# KiCad board aek.kicad_pcb (continued)
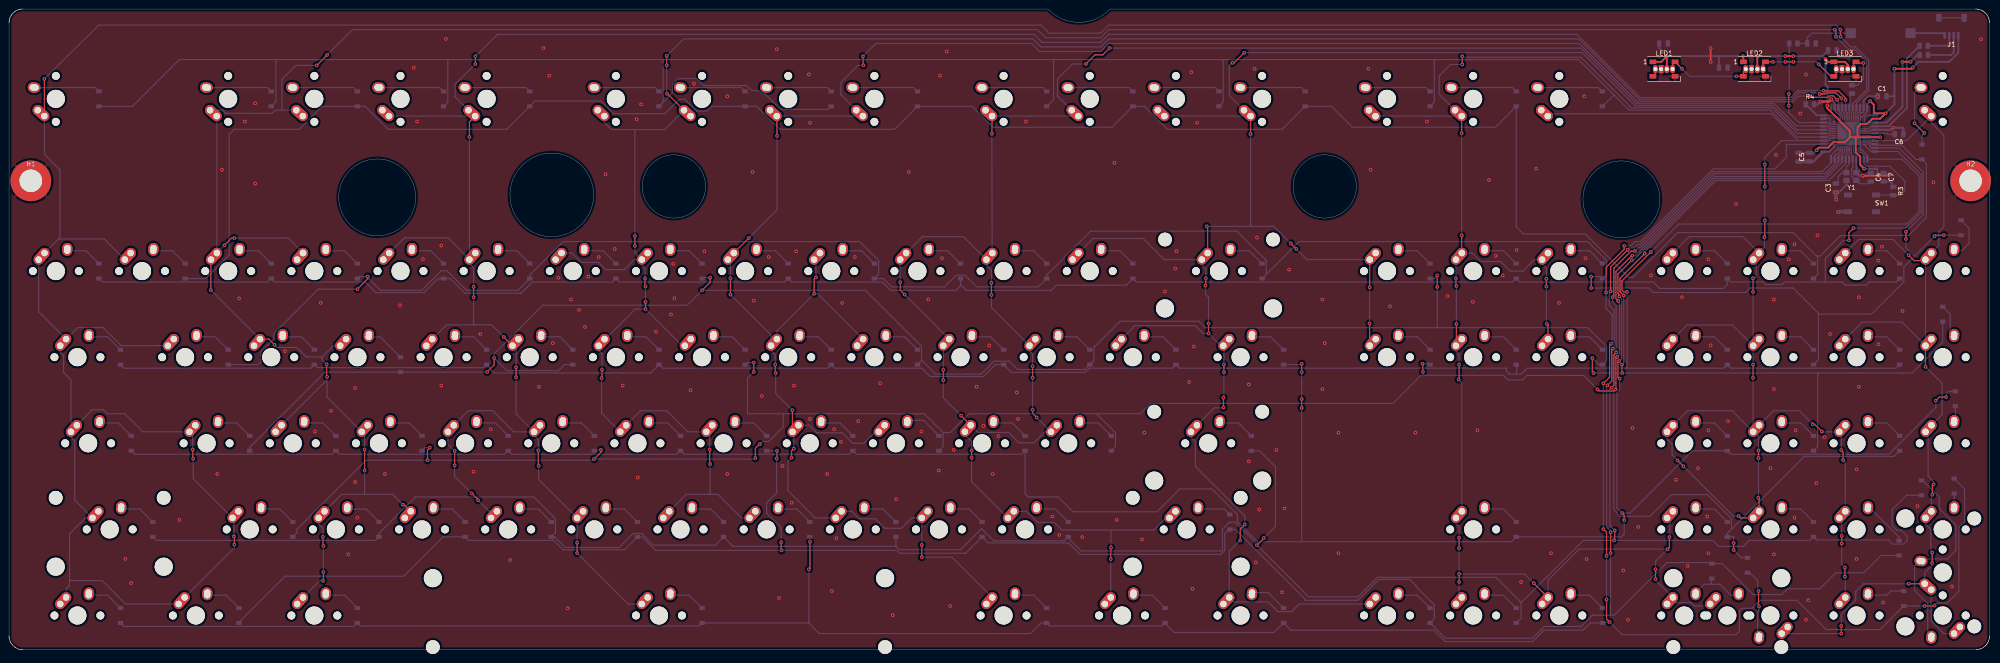
[diagram p0: board, top side]
## Routing (per net, layer and track width the routed paths; a pad name or vN(x,y) marks a point on that pad's centre or on a via; arc(x,y) is an arc through that point) (continued)
ROW5: length 618.8
  Top w0.25: v1(353.21,11.08) 353.21,6.78 v1(353.89,6.11) ; v1(353.11,79.03) 353.11,84.58 357.11,88.58 v1(357.11,89.38) ; v1(425.73,9.78) 425.63,9.68 v1(423.52,9.68) ; v1(353.21,20.78) 353.21,25.98 v1(352.51,26.68) ; v1(352.52,58.93) 353.89,60.29 353.89,67.4 v1(354.17,67.68) ; v1(176.85,17.8) 177.1,18.05 v1(177.1,23.89)
  Bottom w0.25: U1.25 402.6,112.73 402.24,112.37 402.24,112.08 401.99,111.83 U1.25 392.96,111.83 392.96,108.93 390.41,106.38 376.81,106.38 360.71,90.28 359.51,90.28 358.61,89.38 v1(357.11,89.38) ; D105.1 432.37,35.58 432.37,28.34 431.11,27.08 431.11,12.88 428.51,10.28 426.21,10.28 426.21,10.26 v1(425.73,9.78) ; v1(353.11,79.03) 353.11,75.49 354.44,74.16 354.44,67.95 v1(354.17,67.68) ; v1(353.21,20.78) v1(353.21,11.08) ; 255.62,5.83 257.62,3.83 279.72,3.83 D72.1 283.4,4.33 315.02,4.33 317.56,1.79 336.87,1.79 339.41,4.33 348.04,4.33 349.63,5.92 D83.1 ; v1(423.52,9.68) 423.51,9.67 420.94,9.67 420.94,9.67 D94.1 413.7,4.46 401.76,4.46 395.29,10.94 387.16,10.94 385.38,9.16 383.1,9.16 382.59,8.65 382.59,4.08 381.83,3.32 356.68,3.32 v1(353.89,6.11) 352.49,6.11 ; D61.1 254.95,5.25 230.09,5.25 D50.1 228.22,5.92 225.87,3.57 179.13,3.57 176.78,5.92 D28.1 152.56,5.25 77.69,5.25 D17.1 76.25,5.15 25.41,5.15 D6.1 ; v1(176.85,17.8) 176.85,5.86 ; D39.1 177.04,23.96 v1(177.1,23.89) ; v1(352.51,26.68) 352.51,32.08 352.52,32.09 v1(352.52,58.93)
ROW6: length 584.5
  Top w0.25: v1(169.71,42.28) 169.8,42.37 v1(169.8,44.02) ; v1(170.71,23.78) 170.71,22.09 v1(170.82,21.99) ; v1(354.11,79.3) 354.11,84.7 v1(357.9,88.49) ; v1(354.11,21.38) v1(354.11,25.98) ; v1(353.41,58.48) 354.39,59.45 354.39,66.39 v1(354.61,66.62)
  Bottom w0.25: D95.1 413.89,20.84 410.08,17.03 403.92,17.03 400.37,13.48 393.26,13.48 391.99,12.21 385.64,12.21 378.78,19.06 D84.1 ; v1(354.11,79.3) 353.84,79.03 353.84,76.16 354.89,75.11 354.89,66.89 v1(354.61,66.62) ; U1.22 402.87,109.39 U1.22 402.87,107.67 ; 353.96,7.64 350.08,7.64 347.59,5.15 339.46,5.15 336.87,2.56 317.56,2.56 D73.1 315.12,6.85 315.12,9.93 311.14,13.91 311.14,14.12 309.69,15.57 302.89,15.57 298.26,10.94 286.58,10.94 286.58,11.19 271.15,26.62 D62.1 ; 353.96,7.64 354.11,7.79 v1(354.11,21.38) ; 353.96,7.64 354.9,7.64 366.55,19.28 376.27,19.28 ; v1(354.11,25.98) 354.11,26.28 353.24,27.16 353.24,58.3 v1(353.41,58.48) ; 402.87,107.73 400.91,105.78 376.85,105.78 360.75,89.68 360.11,89.68 359.35,88.91 358.32,88.91 v1(357.9,88.49) ; 50.83,6.08 61.02,16.27 87.26,16.27 95.96,24.97 D18.1 101.61,24.2 120.41,24.2 122.49,22.11 136.08,22.11 D29.1 139.95,24.97 142.94,21.99 v1(170.82,21.99) 196.28,21.99 196.91,21.35 211.52,21.35 D51.1 216.47,23.64 234.25,23.64 236.79,21.1 267.91,21.1 268.8,21.99 268.8,25.67 269.75,26.62 ; D40.1 v1(169.8,44.02) ; v1(169.71,42.28) 169.71,34.68 167.51,32.48 167.51,30.18 170.71,26.98 v1(170.71,23.78)
ROW7: length 569.7
  Top w0.25: v1(355.79,77.17) 355.29,77.68 355.29,83.68 358.79,87.18 v1(358.91,87.18) ; v1(312.51,63.28) 312.61,63.18 v1(312.61,61.48) ; v1(130.87,44.21) 130.87,43.7 v1(129.35,42.18) ; v1(93.03,44.72) 92.52,44.21 v1(92.52,41.93) ; v1(165.01,42.38) 165.01,44.58 165.91,45.48 v1(166.01,45.48) ; v1(355.56,64.77) 355.32,64.77 355.29,64.74 355.29,59.01 355.29,57.64 v1(355.23,57.59) 354.9,57.26 351.54,57.26 v1(351.21,57.58) ; v1(164.66,61.48) v1(164.66,63.52) ; v1(381.31,23.6) v1(381.31,22.08)
  Bottom w0.25: v1(381.31,23.6) 381.32,23.6 381.32,24.92 381.27,24.97 D85.1 379.92,25.74 396.97,42.8 416.8,42.8 D96.1 ; U1.20 404.47,109.23 405.37,110.13 U1.20 ; 240.47,52.2 244.64,48.03 244.64,44.95 D63.1 ; v1(355.79,77.17) 356.06,76.9 356.06,65.28 v1(355.56,64.77) ; 171.19,52.2 163.27,52.2 163.27,60.1 v1(164.66,61.48) ; 171.19,52.2 171.19,49.3 167.97,46.08 166.61,46.08 v1(166.01,45.48) ; 171.19,52.2 202.37,52.2 206.54,48.03 ; 206.54,48.03 206.54,44.95 D52.1 ; 206.54,48.03 208.1,48.03 212.27,52.2 250.12,52.2 252.42,54.51 306.01,54.51 312.23,60.72 330.37,60.72 331.41,59.68 334.61,59.68 335.61,60.68 348.11,60.68 v1(351.21,57.58) ; 312.76,60.72 312.76,61.34 v1(312.61,61.48) ; v1(312.51,63.28) 313.99,63.28 ; v1(164.66,63.52) 163.19,63.52 D41.1 ; v1(93.03,44.72) 92.01,44.72 D19.1 ; 380.85,26.67 380.85,28.98 375.52,34.31 367.6,34.31 362.81,29.52 356.25,29.52 354.81,30.95 354.81,57.38 355.02,57.59 v1(355.23,57.59) ; v1(165.01,42.38) 164.81,42.18 v1(129.35,42.18) 129.1,41.93 v1(92.52,41.93) 78.92,41.93 63.66,26.67 63.66,25.9 D8.1 ; v1(358.91,87.18) 359.52,87.18 377.06,104.72 401.51,104.72 404.14,107.35 404.14,107.51 404.47,107.83 ; v1(381.31,22.08) 383.06,20.33 D43.1 ; v1(130.87,44.21) 129.6,44.21
ROW8: length 574.1
  Top w0.25: v1(357.01,78.38) 356.19,79.21 356.19,82.19 ; v1(155,82.31) 155,81.3 v1(153.23,79.52) ; v1(356.68,61.23) 356.61,61.3 v1(356.61,63.08) ; v1(315.79,82.82) v1(315.79,80.28) ; v1(350.33,61.23) 350.08,61.48 v1(350.08,64.53) ; v1(107.25,64.53) 107.25,63.01 v1(105.73,61.48) ; 356.19,82.18 v1(361.65,87.65)
  Bottom w0.25: v1(350.33,61.23) 400.11,61.23 ; 400.11,61.23 399.9,61.01 399.9,44.95 D97.1 ; 400.11,61.23 420.75,61.23 427.55,68.03 D109.1 ; 201.78,64.06 201.78,67.08 189.34,79.52 v1(153.23,79.52) 149.92,76.22 118.03,76.22 107.25,65.44 v1(107.25,64.53) 110.05,61.74 121.48,61.74 122.81,63.07 D31.1 ; 201.78,64.06 204.86,60.98 214.95,60.98 217.82,63.85 221.12,63.85 222.98,61.99 237.87,61.99 D64.1 239.88,64 239.88,67.08 240.1,67.08 245.7,72.68 263.06,72.68 264.49,71.25 349.05,71.25 353.22,67.08 353.22,64 D86.1 351.54,63.07 v1(350.08,64.53) ; 201.78,64.06 201.78,64 D53.1 ; v1(361.65,87.65) 361.65,88.04 377.43,103.82 402.36,103.82 406.07,107.53 U1.18 406.07,109.23 406.37,109.53 U1.18 ; v1(315.79,82.82) 315.09,82.12 D75.1 ; D9.1 53.21,44.79 69.84,61.42 D20.1 105.67,61.42 v1(105.73,61.48) ; v1(315.79,80.28) 315.79,71.39 315.92,71.25 ; v1(357.01,78.38) 357.01,63.48 v1(356.61,63.08) ; v1(155,82.31) 153.41,82.31
ROW9: length 507.1
  Top w0.25: v1(77.03,79.77) 79.31,82.06 v1(79.31,82.57) ; v1(427.8,91.71) 425.96,91.71 v1(425.74,91.49) ; v1(349.82,80.03) v1(349.82,82.57) ; v1(419.42,92.47) v1(419.42,90.88)
  Bottom w0.25: v1(77.03,79.77) 68.38,79.77 58.54,69.94 58.54,68.72 55.66,65.84 55.66,63.61 55.12,63.07 D10.1 ; D21.1 77.47,82.57 v1(79.31,82.57) 79.31,82.31 82.11,79.52 91.25,79.52 95.57,83.84 96.84,83.84 101.16,79.52 112.52,79.52 D32.1 115.13,82.89 122.53,90.3 188.08,90.3 192.25,86.13 192.25,83.05 D54.1 193.29,82.12 195.14,80.28 206.83,80.28 209.45,82.9 211.3,82.9 212.27,81.92 212.29,81.92 213.93,80.28 227.58,80.28 D65.1 229.43,82.89 239.14,92.61 271.5,92.61 277.98,86.13 277.98,83.05 ; v1(349.82,82.57) 351.85,82.57 D87.1 353.22,83.05 353.22,86.13 349.05,90.3 285.23,90.3 D76.1 ; v1(419.42,92.47) 423.21,96.27 423.21,105.68 417.87,111.03 U1.10 411.74,111.03 411.49,111.28 411.49,111.57 410.83,112.23 U1.10 ; v1(419.42,90.88) 419.42,88.92 421.29,87.04 ; 400.05,74.25 400.05,64.15 D98.1 ; v1(427.8,91.71) 427.8,91.71 D110.1 ; 421.29,87.04 418.95,84.7 418.95,81.41 411.78,74.25 400.25,74.25 394.47,80.03 384.97,80.03 383.97,79.03 363.56,79.03 362.57,80.03 v1(349.82,80.03) ; 421.29,87.04 v1(425.74,91.49)
ROW10: length 515.2
  Bottom w0.25: 412.77,111.63 418.47,111.63 421.62,108.47 D100.1 423.91,107.53 423.91,95.61 419.95,91.65 404.98,91.65 400.44,87.1 399.9,87.1 ; D99.1 399.9,83.05 399.9,87.1 ; D11.1 43.5,82.12 48.67,87.3 48.67,114.03 49.78,115.14 64.13,115.14 69.21,120.22 D22.1 78.74,120.22 83.82,115.14 110.05,115.14 D33.1 116.28,121.38 130.91,121.38 133.71,118.58 145.01,118.58 148.21,121.78 149.41,121.78 152.01,119.18 154.31,119.18 155.36,120.22 D44.1 165.33,120.22 170.41,115.14 195.77,115.14 D55.1 212.96,120.22 217.59,115.59 243.85,115.59 D66.1 251.06,120.22 256.14,115.14 281.5,115.14 D77.1 292.37,120.22 297,115.59 328.62,115.59 D88.1 333.25,93.55 334.84,91.96 348.53,91.96 358.11,82.38 359.01,82.38 365.85,89.22 365.87,89.22 367.42,90.77 367.42,90.79 368.91,92.28 394.46,92.28 399.64,87.1 399.9,87.1 ; U1.9 411.13,112.73 411.45,112.41 411.45,112.25 411.87,111.83 U1.9
Net-(BUZ1-Pad1): length 13.5
  Bottom w0.25: BUZ1.1 398.59,136.41 397.57,135.4 C11.1 R6.2
Net-(C3-Pad1): length 9.5
  Bottom w0.25: C3.1 404.43,103.65 404.43,104.68 405.3,105.55 Y1.1 406.25,106.91 406.87,107.53 U1.17 U1.17
Net-(C4-Pad1): length 11.2
  Bottom w0.25: C4.1 411.13,103.1 409.21,103.1 Y1.3 ; 408.27,103.85 407.43,104.69 407.43,106.41 407.67,106.65 U1.16 ; 407.81,108.67 407.81,109.28 407.37,109.73 U1.16
Net-(C6-Pad1): length 6.8
  Bottom w0.25: U1.6 U1.6 415.16,114.23 415.33,114.06 C6.1
Net-(D1-Pad2): length 14.4
  Bottom w0.25: SW_ESC1.2 19.03,124.37 D1.2
Net-(D2-Pad2): length 8.2
  Bottom w0.25: SW_TICK1.2 17.03,88.27 D2.2
Net-(D3-Pad2): length 8.2
  Bottom w0.25: SW_TAB1.2 21.79,69.22 D3.2
Net-(D4-Pad2): length 8.2
  Bottom w0.25: SW_CAP1.2 24.17,50.17 D4.2
Net-(D5-Pad2): length 8.2
  Bottom w0.25: SW_LSH1.2 28.93,31.12 D5.2
Net-(D6-Pad2): length 8.2
  Bottom w0.25: D6.2 21.79,12.07 SW_LCTR1.2
Net-(D7-Pad2): length 8.2
  Bottom w0.25: D7.2 47.98,12.07 SW_LMOD1.2
Net-(D8-Pad2): length 8.2
  Bottom w0.25: D8.2 59.89,31.12 SW_Z1.2
Net-(D9-Pad2): length 8.2
  Bottom w0.25: D9.2 50.36,50.17 SW_A1.2
Net-(D10-Pad2): length 8.2
  Bottom w0.25: SW_Q1.2 45.6,69.22 D10.2
Net-(D11-Pad2): length 8.2
  Bottom w0.25: D11.2 36.08,88.27 SW_1.2
Net-(D12-Pad2): length 14.4
  Bottom w0.25: D12.2 57.13,124.37 SW_F1.2
Net-(D13-Pad2): length 8.2
  Bottom w0.25: D13.2 55.13,88.27 SW_2.2
Net-(D14-Pad2): length 8.2
  Bottom w0.25: D14.2 64.65,69.22 SW_W1.2
Net-(D15-Pad2): length 8.2
  Bottom w0.25: D15.2 69.41,50.17 SW_S1.2
Net-(D16-Pad2): length 8.2
  Bottom w0.25: SW_X1.2 78.94,31.12 D16.2
Net-(D17-Pad2): length 8.2
  Bottom w0.25: D17.2 74.18,12.07 SW_LALT1.2
Net-(D18-Pad2): length 8.2
  Bottom w0.25: SW_C1.2 97.99,31.12 D18.2
Net-(D19-Pad2): length 8.2
  Bottom w0.25: D19.2 88.46,50.17 SW_D1.2
Net-(D20-Pad2): length 8.9
  Bottom w0.25: SW_E1.2 82.05,69.22 D20.2
Net-(D21-Pad2): length 8.2
  Bottom w0.25: D21.2 74.18,88.27 SW_3.2
Net-(D22-Pad2): length 14.4
  Bottom w0.25: SW_F2.2 76.18,124.37 D22.2
Net-(D23-Pad2): length 14.4
  Bottom w0.25: D23.2 95.23,124.37 SW_F3.2
Net-(D24-Pad2): length 8.2
  Bottom w0.25: SW_4.2 93.23,88.27 D24.2
Net-(D25-Pad2): length 8.2
  Bottom w0.25: SW_R1.2 102.75,69.22 D25.2
Net-(D26-Pad2): length 8.2
  Bottom w0.25: SW_F13.2 107.51,50.17 D26.2
Net-(D27-Pad2): length 8.2
  Bottom w0.25: SW_V1.2 117.04,31.12 D27.2
Net-(D28-Pad2): length 8.2
  Bottom w0.25: SW_SPACE1.2 150.38,12.07 D28.2
Net-(D29-Pad2): length 8.2
  Bottom w0.25: D29.2 136.09,31.12 SW_B1.2
Net-(D30-Pad2): length 8.2
  Bottom w0.25: D30.2 126.56,50.17 SW_G1.2
Net-(D31-Pad2): length 8.2
  Bottom w0.25: D31.2 121.8,69.22 SW_T1.2
Net-(D32-Pad2): length 8.2
  Bottom w0.25: D32.2 112.28,88.27 SW_5.2
Net-(D33-Pad2): length 14.4
  Bottom w0.25: D33.2 114.28,124.37 SW_F4.2
Net-(D34-Pad2): length 14.4
  Bottom w0.25: SW_F5.2 142.85,124.37 D34.2
Net-(D35-Pad2): length 8.2
  Bottom w0.25: D35.2 131.33,88.27 SW_6.2
Net-(D36-Pad2): length 8.2
  Bottom w0.25: SW_Y1.2 140.85,69.22 D36.2
Net-(D37-Pad2): length 8.2
  Bottom w0.25: SW_H1.2 145.61,50.17 D37.2
Net-(D38-Pad2): length 8.2
  Bottom w0.25: SW_N1.2 155.14,31.12 D38.2
Net-(D39-Pad2): length 8.2
  Bottom w0.25: D39.2 174.19,31.12 SW_M1.2
Net-(D40-Pad2): length 8.2
  Bottom w0.25: SW_J1.2 164.66,50.17 D40.2
Net-(D41-Pad2): length 8.2
  Bottom w0.25: SW_U1.2 159.9,69.22 D41.2
Net-(D42-Pad2): length 8.2
  Bottom w0.25: SW_7.2 150.38,88.27 D42.2
Net-(D43-Pad2): length 15.1
  Top w0.25: v1(386.91,9.58) 386.81,9.68 v1(386.81,12.98)
  Bottom w0.25: v1(386.91,9.58) 386.91,8.78 386.61,8.48 386.61,3.4 ; D43.2 384.87,17.03 386.65,15.26 386.65,13.14 v1(386.81,12.98)
Net-(D44-Pad2): length 14.4
  Bottom w0.25: SW_F6.2 161.9,124.37 D44.2
Net-(D45-Pad2): length 14.4
  Bottom w0.25: SW_F7.2 180.95,124.37 D45.2
Net-(D46-Pad2): length 8.2
  Bottom w0.25: SW_8.2 169.43,88.27 D46.2
Net-(D47-Pad2): length 8.2
  Bottom w0.25: D47.2 178.95,69.22 SW_I1.2
Net-(D48-Pad2): length 8.2
  Bottom w0.25: SW_K1.2 183.71,50.17 D48.2
Net-(D49-Pad2): length 8.2
  Bottom w0.25: D49.2 193.24,31.12 SW_COMMA1.2
Net-(D50-Pad2): length 8.2
  Bottom w0.25: D50.2 226.58,12.07 SW_RALT1.2
Net-(D51-Pad2): length 8.2
  Bottom w0.25: SW_PERIOD1.2 212.29,31.12 D51.2
Net-(D52-Pad2): length 8.4
  Bottom w0.25: D52.2 202.18,50.75 SW_L1.2
Net-(D53-Pad2): length 8.2
  Bottom w0.25: SW_O1.2 198,69.22 D53.2
Net-(D54-Pad2): length 8.2
  Bottom w0.25: D54.2 188.48,88.27 SW_9.2
Net-(D55-Pad2): length 14.4
  Bottom w0.25: D55.2 200,124.37 SW_F8.2
Net-(D56-Pad2): length 14.4
  Bottom w0.25: SW_F9.2 228.58,124.37 D56.2
Net-(D57-Pad2): length 8.2
  Bottom w0.25: D57.2 207.53,88.27 SW_0.2
Net-(D58-Pad2): length 8.2
  Bottom w0.25: D58.2 217.05,69.22 SW_P1.2
Net-(D59-Pad2): length 8.2
  Bottom w0.25: SW_COLON1.2 221.81,50.17 D59.2
Net-(D60-Pad2): length 8.2
  Bottom w0.25: D60.2 231.34,31.12 SW_SLASH1.2
Net-(D61-Pad2): length 8.2
  Bottom w0.25: D61.2 252.77,12.07 SW_RMOD1.2
Net-(D62-Pad2): length 7.5
  Bottom w0.25: SW_RSH1.2 268.71,31.12 D62.2
Net-(D63-Pad2): length 8.2
  Bottom w0.25: D63.2 240.86,50.17 SW_APOS1.2
Net-(D64-Pad2): length 8.2
  Bottom w0.25: D64.2 236.1,69.22 SW_LBRAC1.2
Net-(D65-Pad2): length 8.2
  Bottom w0.25: D65.2 226.58,88.27 SW_MINUS1.2
Net-(D66-Pad2): length 14.4
  Bottom w0.25: D66.2 247.63,124.37 SW_F10.2
Net-(D67-Pad2): length 14.4
  Bottom w0.25: SW_F11.2 266.68,124.37 D67.2
Net-(D68-Pad2): length 8.2
  Bottom w0.25: D68.2 245.63,88.27 SW_EQ1.2
Net-(D69-Pad2): length 8.2
  Bottom w0.25: D69.2 255.15,69.22 SW_RBRAC1.2
Net-(D70-Pad2): length 8.2
  Bottom w0.25: SW_BKSLS1.2 278.96,69.22 D70.2
Net-(D71-Pad2): length 8.2
  Bottom w0.25: SW_ENTER1.2 271.82,50.17 D71.2
Net-(D72-Pad2): length 8.4
  Bottom w0.25: D72.2 278.38,12.65 SW_RCTR1.2
Net-(D73-Pad2): length 8.2
  Bottom w0.25: D73.2 311.35,12.07 SW_LEFT1.2
Net-(D74-Pad2): length 8.2
  Bottom w0.25: D74.2 311.35,69.22 SW_DEL1.2
Net-(D75-Pad2): length 8.2
  Bottom w0.25: SW_INS1.2 311.35,88.27 D75.2
Net-(D76-Pad2): length 8.2
  Bottom w0.25: D76.2 274.2,88.27 SW_BACKSP1.2
Net-(D77-Pad2): length 14.4
  Bottom w0.25: D77.2 285.73,124.37 SW_F12.2
Net-(D78-Pad2): length 14.4
  Bottom w0.25: SW_PRSC1.2 313.35,124.37 D78.2
Net-(D79-Pad2): length 8.2
  Bottom w0.25: SW_HOME1.2 330.4,88.27 D79.2
Net-(D80-Pad2): length 8.2
  Bottom w0.25: SW_END1.2 330.4,69.22 D80.2
Net-(D81-Pad2): length 8.2
  Bottom w0.25: SW_UP1.2 330.4,31.12 D81.2
Net-(D82-Pad2): length 8.2
  Bottom w0.25: SW_DOWN1.2 330.4,12.07 D82.2
Net-(D83-Pad2): length 8.2
  Bottom w0.25: SW_RIGHT1.2 349.45,12.07 D83.2
Net-(D84-Pad2): length 12.6
  Bottom w0.25: 376.49,14.49 378.27,14.49 380.69,12.07 SW_KP0.2 ; 376.49,14.49 374.78,14.49 SW_KP0ALT1.2 ; 376.49,14.49 376.37,14.62 376.37,15.76
Net-(D85-Pad2): length 8.2
  Bottom w0.25: D85.2 377.07,31.12 SW_KP1.2
Net-(D86-Pad2): length 8.2
  Bottom w0.25: SW_PGDN1.2 349.45,69.22 D86.2
Net-(D87-Pad2): length 8.2
  Bottom w0.25: D87.2 349.45,88.27 SW_PGUP1.2
Net-(D88-Pad2): length 14.4
  Bottom w0.25: SW_SCLK1.2 332.4,124.37 D88.2
Net-(D89-Pad2): length 14.4
  Bottom w0.25: SW_PAUSE1.2 351.45,124.37 D89.2
Net-(D90-Pad2): length 8.2
  Bottom w0.25: SW_NUMLK1.2 377.07,88.27 D90.2
Net-(D91-Pad2): length 8.2
  Bottom w0.25: D91.2 377.07,69.22 SW_KP7.2
Net-(D92-Pad2): length 8.2
  Bottom w0.25: D92.2 377.07,50.17 SW_KP4.2
Net-(D93-Pad2): length 8.2
  Bottom w0.25: D93.2 396.12,31.12 SW_KP2.2
Net-(D94-Pad2): length 8.3
  Bottom w0.25: D94.2 416.07,12.97 415.17,12.07 SW_KPPER1.2
Net-(D95-Pad2): length 9.6
  Bottom w0.25: 411.68,31.12 417.89,24.91 D95.2
Net-(D96-Pad2): length 8.2
  Bottom w0.25: D96.2 415.17,50.17 SW_KP6.2
Net-(D97-Pad2): length 8.2
  Bottom w0.25: SW_KP5.2 396.12,50.17 D97.2
Net-(D98-Pad2): length 8.2
  Bottom w0.25: SW_KP8.2 396.12,69.22 D98.2
Net-(D99-Pad2): length 8.2
  Bottom w0.25: D99.2 396.12,88.27 SW_KPEQ1.2
Net-(D100-Pad2): length 14.2
  Top w0.25: v1(421.31,116.48) 421.32,116.48 v1(423.48,114.32)
  Bottom w0.25: SW_POW1.2 421.34,123.29 421.34,116.46 ; D100.2 422.97,113.81 v1(423.48,114.32)
Net-(D101-Pad2): length 8.2
  Bottom w0.25: D101.2 415.17,88.27 SW_KPSLASH1.2
Net-(D102-Pad2): length 8.2
  Bottom w0.25: D102.2 415.17,69.22 SW_KP9.2
Net-(D103-Pad2): length 2.9
  Bottom w0.25: D103.2 430.34,51.01
Net-(D104-Pad2): length 44.8
  Bottom w0.25: 423.53,20.08 428.56,20.08 430.47,21.99 430.47,27.57 426.78,31.26 426.78,33.8 423.1,37.48 ; SW_KPENTER1.2 421.34,18.51 421.34,13.08 424.24,10.18 424.24,3.87 SW_KPENTERALT1.2
Net-(D105-Pad2): length 3.1
  Bottom w0.25: SW_KPENTERX1.2 430.09,34.81
Net-(D109-Pad2): length 6.5
  Bottom w0.25: D109.2 429.2,74.25 429.2,70.07
Net-(D110-Pad2): length 9.8
  Bottom w0.25: SW_KPASTR1.2 431.73,88.27 433.39,89.93 433.39,93.23 D110.2
Net-(LED1-Pad4): length 20.1
  Top w0.25: v1(381.9,126.86) LED2.2 383.47,127.92 LED2.2 ; v1(369.93,128.5) LED1.4 367.82,129.52 LED1.4
  Bottom w0.25: v1(369.93,128.5) 371.57,126.86 v1(381.9,126.86)
Net-(LED2-Pad4): length 20.1
  Top w0.25: LED2.4 387.82,129.52 LED2.4 v1(390,130.06) ; v1(392.75,130.06) v1(394.53,130.06) ; LED3.2 404.01,127.41 LED3.2 402.83,126.86 401.26,128.43 401.24,128.43 v1(400.11,129.56)
  Bottom w0.25: v1(394.53,130.06) 399.63,130.06 ; v1(390,130.06) v1(392.75,130.06) ; v1(400.11,129.56) 399.61,130.06
Net-(R1-Pad2): length 4.9
  Bottom w0.25: R1.2 407.07,122.64 407.07,120.67 ; U1.39 U1.39
Net-(R2-Pad1): length 26.3
  Bottom w0.25: U1.4 411.17,115.23 411.77,115.83 U1.4
  Bottom w0.4: R2.1 419.61,130.82 419.61,119.85 415.59,115.83 U1.4
Net-(R3-Pad1): length 23.6
  Bottom w0.25: U1.13 408.87,110.3 409.18,109.99 409.63,109.99 410.07,109.55 U1.13 410.07,107.53 410.63,106.97 415.84,106.97 419.16,103.65 419.16,101.63 418.09,100.55 R3.1 ; SW1.2 416.58,100.6
Net-(R4-Pad2): length 8.4
  Bottom w0.25: U1.33 403.53,117.57 402.87,118.23 U1.33
  Bottom w0.4: U1.33 399.71,118.23 397.27,120.67
Net-(R5-Pad1): length 24.8
  Top w0.4: v1(420.43,130.06) v1(418.66,130.06)
  Bottom w0.25: U1.3 411.73,116.63 411.5,116.39 411.5,116.19 411.03,115.73 U1.3
  Bottom w0.4: v1(420.43,130.06) 421.96,131.59 R5.1 ; v1(418.66,130.06) 418.66,120.16 415.12,116.63 U1.3
unconnected-(J1-PadMP): length 5.6
  Bottom w0.25: J1.MP J1.MP
unconnected-(LED1-Pad2): length 1.8
  Top w0.25: LED1.2 364.01,127.41 LED1.2
unconnected-(U1-Pad1): length 3.6
  Bottom w0.25: U1.1 410.2,117.77 410.66,118.23 U1.1
unconnected-(U1-Pad32): length 3.6
  Bottom w0.25: U1.32 401.37,117.63 402.47,117.63 402.67,117.43 402.67,116.5 402.94,116.23 U1.32
unconnected-(U1-Pad42): length 2.9
  Bottom w0.25: U1.42 409.27,119.23 408.99,118.95 408.99,118.85 408.72,118.85 408.37,118.5 U1.42

## Copper pours and planes (outline as drawn; the poured copper is in the pictures)
GND on Top: 438.98,-2.78 -0.19,-2.78 -0.19,142.51 438.98,142.51
GND on Bottom: 438.98,-2.78 -0.19,-2.78 -0.19,142.51 438.98,142.51
